# Altium PCB PCB1.PcbDoc (part 1 of 4) (continued)
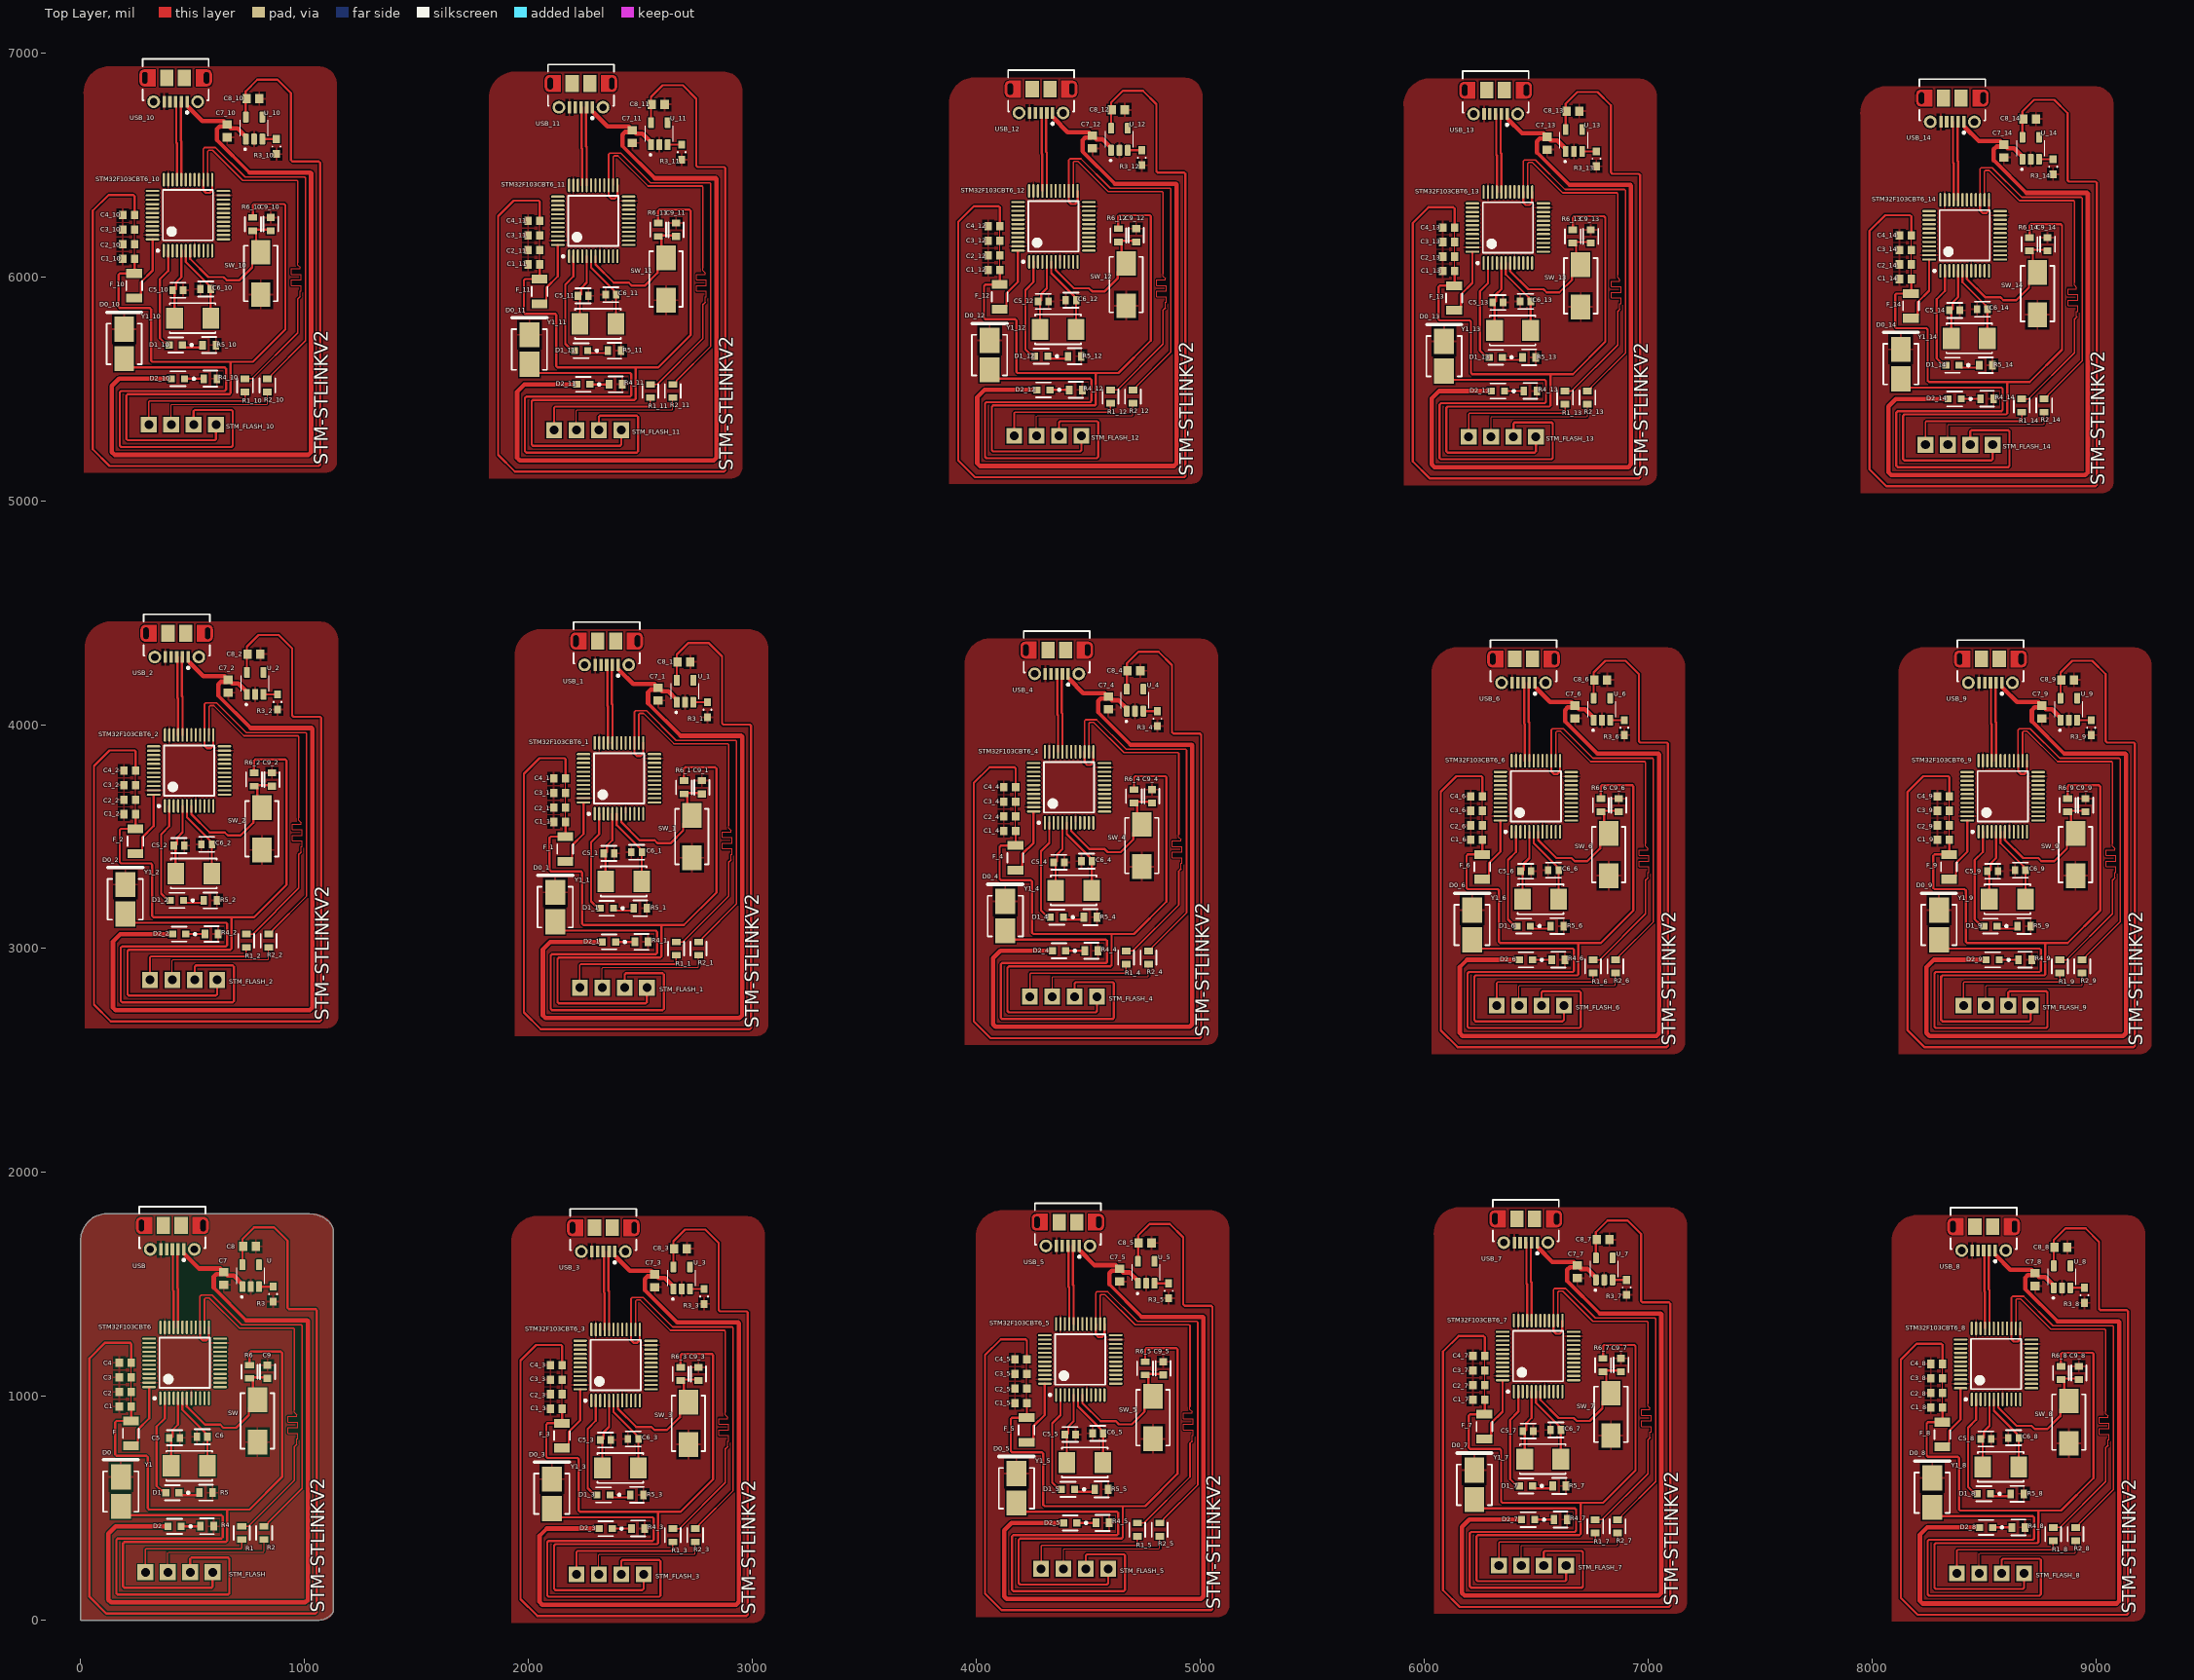
[diagram p0: Top Layer view]
## Components (designator, comment, footprint, x,y, rotation, side; value= is the part's Value field where it differs from the comment) (continued)
C7_9 "1uF" CAPC1608X90X35ML10T15 8760,4056.46 r90 top (schematic designator C7)
C7_10 "1uF" CAPC1608X90X35ML10T15 655,6651.46 r90 top (schematic designator C7)
C7_11 "1uF" CAPC1608X90X35ML10T15 2465,6626.46 r90 top (schematic designator C7)
C7_12 "1uF" CAPC1608X90X35ML10T15 4520,6601.46 r90 top (schematic designator C7)
C7_13 "1uF" CAPC1608X90X35ML10T15 6550,6596.46 r90 top (schematic designator C7)
C7_14 "1uF" CAPC1608X90X35ML10T15 8590,6561.46 r90 top (schematic designator C7)
C8 "1uF" CAPC1608X90X35ML10T15 755,1670 r180 top
C8_1 "1uF" CAPC1608X90X35ML10T15 2695,4280 r180 top (schematic designator C8)
C8_2 "1uF" CAPC1608X90X35ML10T15 775,4315 r180 top (schematic designator C8)
C8_3 "1uF" CAPC1608X90X35ML10T15 2680,1660 r180 top (schematic designator C8)
C8_4 "1uF" CAPC1608X90X35ML10T15 4705,4240 r180 top (schematic designator C8)
C8_5 "1uF" CAPC1608X90X35ML10T15 4755,1685 r180 top (schematic designator C8)
C8_6 "1uF" CAPC1608X90X35ML10T15 6790,4200 r180 top (schematic designator C8)
C8_7 "1uF" CAPC1608X90X35ML10T15 6800,1700 r180 top (schematic designator C8)
C8_8 "1uF" CAPC1608X90X35ML10T15 8845,1665 r180 top (schematic designator C8)
C8_9 "1uF" CAPC1608X90X35ML10T15 8875,4200 r180 top (schematic designator C8)
C8_10 "1uF" CAPC1608X90X35ML10T15 770,6795 r180 top (schematic designator C8)
C8_11 "1uF" CAPC1608X90X35ML10T15 2580,6770 r180 top (schematic designator C8)
C8_12 "1uF" CAPC1608X90X35ML10T15 4635,6745 r180 top (schematic designator C8)
C8_13 "1uF" CAPC1608X90X35ML10T15 6665,6740 r180 top (schematic designator C8)
C8_14 "1uF" CAPC1608X90X35ML10T15 8705,6705 r180 top (schematic designator C8)
C9 "0.01uF" FP-CC0603-DA-MFG 835,1110 r90 top value="100 nF"
C9_1 "0.01uF" FP-CC0603-DA-MFG 2775,3720 r90 top value="100 nF" (schematic designator C9)
C9_2 "0.01uF" FP-CC0603-DA-MFG 855,3755 r90 top value="100 nF" (schematic designator C9)
C9_3 "0.01uF" FP-CC0603-DA-MFG 2760,1100 r90 top value="100 nF" (schematic designator C9)
C9_4 "0.01uF" FP-CC0603-DA-MFG 4785,3680 r90 top value="100 nF" (schematic designator C9)
C9_5 "0.01uF" FP-CC0603-DA-MFG 4835,1125 r90 top value="100 nF" (schematic designator C9)
C9_6 "0.01uF" FP-CC0603-DA-MFG 6870,3640 r90 top value="100 nF" (schematic designator C9)
C9_7 "0.01uF" FP-CC0603-DA-MFG 6880,1140 r90 top value="100 nF" (schematic designator C9)
C9_8 "0.01uF" FP-CC0603-DA-MFG 8925,1105 r90 top value="100 nF" (schematic designator C9)
C9_9 "0.01uF" FP-CC0603-DA-MFG 8955,3640 r90 top value="100 nF" (schematic designator C9)
C9_10 "0.01uF" FP-CC0603-DA-MFG 850,6235 r90 top value="100 nF" (schematic designator C9)
C9_11 "0.01uF" FP-CC0603-DA-MFG 2660,6210 r90 top value="100 nF" (schematic designator C9)
C9_12 "0.01uF" FP-CC0603-DA-MFG 4715,6185 r90 top value="100 nF" (schematic designator C9)
C9_13 "0.01uF" FP-CC0603-DA-MFG 6745,6180 r90 top value="100 nF" (schematic designator C9)
C9_14 "0.01uF" FP-CC0603-DA-MFG 8785,6145 r90 top value="100 nF" (schematic designator C9)
D0 "SS54B" JCET-SMB-2_M 180,575 r90 top
D0_1 "SS54B" JCET-SMB-2_M 2120,3185 r90 top (schematic designator D0)
D0_2 "SS54B" JCET-SMB-2_M 200,3220 r90 top (schematic designator D0)
D0_3 "SS54B" JCET-SMB-2_M 2105,565 r90 top (schematic designator D0)
D0_4 "SS54B" JCET-SMB-2_M 4130,3145 r90 top (schematic designator D0)
D0_5 "SS54B" JCET-SMB-2_M 4180,590 r90 top (schematic designator D0)
D0_6 "SS54B" JCET-SMB-2_M 6215,3105 r90 top (schematic designator D0)
D0_7 "SS54B" JCET-SMB-2_M 6225,605 r90 top (schematic designator D0)
D0_8 "SS54B" JCET-SMB-2_M 8270,570 r90 top (schematic designator D0)
D0_9 "SS54B" JCET-SMB-2_M 8300,3105 r90 top (schematic designator D0)
D0_10 "SS54B" JCET-SMB-2_M 195,5700 r90 top (schematic designator D0)
D0_11 "SS54B" JCET-SMB-2_M 2005,5675 r90 top (schematic designator D0)
D0_12 "SS54B" JCET-SMB-2_M 4060,5650 r90 top (schematic designator D0)
D0_13 "SS54B" JCET-SMB-2_M 6090,5645 r90 top (schematic designator D0)
D0_14 "SS54B" JCET-SMB-2_M 8130,5610 r90 top (schematic designator D0)
D1 "LTST-C190GKT" FP-LTST-C190GKT-MFG 410.47,570 r180 top
D1_1 "LTST-C190GKT" FP-LTST-C190GKT-MFG 2350.47,3180 r180 top (schematic designator D1)
D1_2 "LTST-C190GKT" FP-LTST-C190GKT-MFG 430.47,3215 r180 top (schematic designator D1)
D1_3 "LTST-C190GKT" FP-LTST-C190GKT-MFG 2335.47,560 r180 top (schematic designator D1)
D1_4 "LTST-C190GKT" FP-LTST-C190GKT-MFG 4360.47,3140 r180 top (schematic designator D1)
D1_5 "LTST-C190GKT" FP-LTST-C190GKT-MFG 4410.47,585 r180 top (schematic designator D1)
D1_6 "LTST-C190GKT" FP-LTST-C190GKT-MFG 6445.47,3100 r180 top (schematic designator D1)
D1_7 "LTST-C190GKT" FP-LTST-C190GKT-MFG 6455.47,600 r180 top (schematic designator D1)
D1_8 "LTST-C190GKT" FP-LTST-C190GKT-MFG 8500.47,565 r180 top (schematic designator D1)
D1_9 "LTST-C190GKT" FP-LTST-C190GKT-MFG 8530.47,3100 r180 top (schematic designator D1)
D1_10 "LTST-C190GKT" FP-LTST-C190GKT-MFG 425.47,5695 r180 top (schematic designator D1)
D1_11 "LTST-C190GKT" FP-LTST-C190GKT-MFG 2235.47,5670 r180 top (schematic designator D1)
D1_12 "LTST-C190GKT" FP-LTST-C190GKT-MFG 4290.47,5645 r180 top (schematic designator D1)
D1_13 "LTST-C190GKT" FP-LTST-C190GKT-MFG 6320.47,5640 r180 top (schematic designator D1)
D1_14 "LTST-C190GKT" FP-LTST-C190GKT-MFG 8360.47,5605 r180 top (schematic designator D1)
D2 "LTST-C190GKT" FP-LTST-C190GKT-MFG 420.37,419.63 r180 top
D2_1 "LTST-C190GKT" FP-LTST-C190GKT-MFG 2360.37,3029.63 r180 top (schematic designator D2)
D2_2 "LTST-C190GKT" FP-LTST-C190GKT-MFG 440.37,3064.63 r180 top (schematic designator D2)
D2_3 "LTST-C190GKT" FP-LTST-C190GKT-MFG 2345.37,409.63 r180 top (schematic designator D2)
D2_4 "LTST-C190GKT" FP-LTST-C190GKT-MFG 4370.37,2989.63 r180 top (schematic designator D2)
D2_5 "LTST-C190GKT" FP-LTST-C190GKT-MFG 4420.37,434.63 r180 top (schematic designator D2)
D2_6 "LTST-C190GKT" FP-LTST-C190GKT-MFG 6455.37,2949.63 r180 top (schematic designator D2)
D2_7 "LTST-C190GKT" FP-LTST-C190GKT-MFG 6465.37,449.63 r180 top (schematic designator D2)
D2_8 "LTST-C190GKT" FP-LTST-C190GKT-MFG 8510.37,414.63 r180 top (schematic designator D2)
D2_9 "LTST-C190GKT" FP-LTST-C190GKT-MFG 8540.37,2949.63 r180 top (schematic designator D2)
D2_10 "LTST-C190GKT" FP-LTST-C190GKT-MFG 435.37,5544.63 r180 top (schematic designator D2)
D2_11 "LTST-C190GKT" FP-LTST-C190GKT-MFG 2245.37,5519.63 r180 top (schematic designator D2)
D2_12 "LTST-C190GKT" FP-LTST-C190GKT-MFG 4300.37,5494.63 r180 top (schematic designator D2)
D2_13 "LTST-C190GKT" FP-LTST-C190GKT-MFG 6330.37,5489.63 r180 top (schematic designator D2)
D2_14 "LTST-C190GKT" FP-LTST-C190GKT-MFG 8370.37,5454.63 r180 top (schematic designator D2)
F "1206L020YR" FP-1206L-MFG 225,834.88 r90 top value=0.65-2.6Ω (schematic designator F?)
F_1 "1206L020YR" FP-1206L-MFG 2165,3444.88 r90 top value=0.65-2.6Ω (schematic designator F?)
F_2 "1206L020YR" FP-1206L-MFG 245,3479.88 r90 top value=0.65-2.6Ω (schematic designator F?)
F_3 "1206L020YR" FP-1206L-MFG 2150,824.88 r90 top value=0.65-2.6Ω (schematic designator F?)
F_4 "1206L020YR" FP-1206L-MFG 4175,3404.88 r90 top value=0.65-2.6Ω (schematic designator F?)
F_5 "1206L020YR" FP-1206L-MFG 4225,849.88 r90 top value=0.65-2.6Ω (schematic designator F?)
F_6 "1206L020YR" FP-1206L-MFG 6260,3364.88 r90 top value=0.65-2.6Ω (schematic designator F?)
F_7 "1206L020YR" FP-1206L-MFG 6270,864.88 r90 top value=0.65-2.6Ω (schematic designator F?)
F_8 "1206L020YR" FP-1206L-MFG 8315,829.88 r90 top value=0.65-2.6Ω (schematic designator F?)
F_9 "1206L020YR" FP-1206L-MFG 8345,3364.88 r90 top value=0.65-2.6Ω (schematic designator F?)
F_10 "1206L020YR" FP-1206L-MFG 240,5959.88 r90 top value=0.65-2.6Ω (schematic designator F?)
F_11 "1206L020YR" FP-1206L-MFG 2050,5934.88 r90 top value=0.65-2.6Ω (schematic designator F?)
F_12 "1206L020YR" FP-1206L-MFG 4105,5909.88 r90 top value=0.65-2.6Ω (schematic designator F?)
F_13 "1206L020YR" FP-1206L-MFG 6135,5904.88 r90 top value=0.65-2.6Ω (schematic designator F?)
F_14 "1206L020YR" FP-1206L-MFG 8175,5869.88 r90 top value=0.65-2.6Ω (schematic designator F?)
R1 "220" FP-CRCW0603-e3-MFG 720,390 r270 top
R1_1 "220" FP-CRCW0603-e3-MFG 2660,3000 r270 top (schematic designator R1)
R1_2 "220" FP-CRCW0603-e3-MFG 740,3035 r270 top (schematic designator R1)
R1_3 "220" FP-CRCW0603-e3-MFG 2645,380 r270 top (schematic designator R1)
R1_4 "220" FP-CRCW0603-e3-MFG 4670,2960 r270 top (schematic designator R1)
R1_5 "220" FP-CRCW0603-e3-MFG 4720,405 r270 top (schematic designator R1)
R1_6 "220" FP-CRCW0603-e3-MFG 6755,2920 r270 top (schematic designator R1)
R1_7 "220" FP-CRCW0603-e3-MFG 6765,420 r270 top (schematic designator R1)
R1_8 "220" FP-CRCW0603-e3-MFG 8810,385 r270 top (schematic designator R1)
R1_9 "220" FP-CRCW0603-e3-MFG 8840,2920 r270 top (schematic designator R1)
R1_10 "220" FP-CRCW0603-e3-MFG 735,5515 r270 top (schematic designator R1)
R1_11 "220" FP-CRCW0603-e3-MFG 2545,5490 r270 top (schematic designator R1)
R1_12 "220" FP-CRCW0603-e3-MFG 4600,5465 r270 top (schematic designator R1)
R1_13 "220" FP-CRCW0603-e3-MFG 6630,5460 r270 top (schematic designator R1)
R1_14 "220" FP-CRCW0603-e3-MFG 8670,5425 r270 top (schematic designator R1)
R2 "220" FP-CRCW0603-e3-MFG 820,390 r270 top
R2_1 "220" FP-CRCW0603-e3-MFG 2760,3000 r270 top (schematic designator R2)
R2_2 "220" FP-CRCW0603-e3-MFG 840,3035 r270 top (schematic designator R2)
R2_3 "220" FP-CRCW0603-e3-MFG 2745,380 r270 top (schematic designator R2)
R2_4 "220" FP-CRCW0603-e3-MFG 4770,2960 r270 top (schematic designator R2)
R2_5 "220" FP-CRCW0603-e3-MFG 4820,405 r270 top (schematic designator R2)
R2_6 "220" FP-CRCW0603-e3-MFG 6855,2920 r270 top (schematic designator R2)
R2_7 "220" FP-CRCW0603-e3-MFG 6865,420 r270 top (schematic designator R2)
R2_8 "220" FP-CRCW0603-e3-MFG 8910,385 r270 top (schematic designator R2)
R2_9 "220" FP-CRCW0603-e3-MFG 8940,2920 r270 top (schematic designator R2)
R2_10 "220" FP-CRCW0603-e3-MFG 835,5515 r270 top (schematic designator R2)
R2_11 "220" FP-CRCW0603-e3-MFG 2645,5490 r270 top (schematic designator R2)
R2_12 "220" FP-CRCW0603-e3-MFG 4700,5465 r270 top (schematic designator R2)
R2_13 "220" FP-CRCW0603-e3-MFG 6730,5460 r270 top (schematic designator R2)
R2_14 "220" FP-CRCW0603-e3-MFG 8770,5425 r270 top (schematic designator R2)
R3 "100K" FP-RC0603-0_55-MFG 860,1456.54 r90 top
R3_1 "100K" FP-RC0603-0_55-MFG 2800,4066.54 r90 top (schematic designator R3)
R3_2 "100K" FP-RC0603-0_55-MFG 880,4101.54 r90 top (schematic designator R3)
R3_3 "100K" FP-RC0603-0_55-MFG 2785,1446.54 r90 top (schematic designator R3)
R3_4 "100K" FP-RC0603-0_55-MFG 4810,4026.54 r90 top (schematic designator R3)
R3_5 "100K" FP-RC0603-0_55-MFG 4860,1471.54 r90 top (schematic designator R3)
R3_6 "100K" FP-RC0603-0_55-MFG 6895,3986.54 r90 top (schematic designator R3)
R3_7 "100K" FP-RC0603-0_55-MFG 6905,1486.54 r90 top (schematic designator R3)
R3_8 "100K" FP-RC0603-0_55-MFG 8950,1451.54 r90 top (schematic designator R3)
R3_9 "100K" FP-RC0603-0_55-MFG 8980,3986.54 r90 top (schematic designator R3)
R3_10 "100K" FP-RC0603-0_55-MFG 875,6581.54 r90 top (schematic designator R3)
R3_11 "100K" FP-RC0603-0_55-MFG 2685,6556.54 r90 top (schematic designator R3)
R3_12 "100K" FP-RC0603-0_55-MFG 4740,6531.54 r90 top (schematic designator R3)
R3_13 "100K" FP-RC0603-0_55-MFG 6770,6526.54 r90 top (schematic designator R3)
R3_14 "100K" FP-RC0603-0_55-MFG 8810,6491.54 r90 top (schematic designator R3)
R4 "510R" FP-CRCW0603-e3-MFG 565,420 r0 top
R4_1 "510R" FP-CRCW0603-e3-MFG 2505,3030 r0 top (schematic designator R4)
R4_2 "510R" FP-CRCW0603-e3-MFG 585,3065 r0 top (schematic designator R4)
R4_3 "510R" FP-CRCW0603-e3-MFG 2490,410 r0 top (schematic designator R4)
R4_4 "510R" FP-CRCW0603-e3-MFG 4515,2990 r0 top (schematic designator R4)
R4_5 "510R" FP-CRCW0603-e3-MFG 4565,435 r0 top (schematic designator R4)
R4_6 "510R" FP-CRCW0603-e3-MFG 6600,2950 r0 top (schematic designator R4)
R4_7 "510R" FP-CRCW0603-e3-MFG 6610,450 r0 top (schematic designator R4)
R4_8 "510R" FP-CRCW0603-e3-MFG 8655,415 r0 top (schematic designator R4)
R4_9 "510R" FP-CRCW0603-e3-MFG 8685,2950 r0 top (schematic designator R4)
R4_10 "510R" FP-CRCW0603-e3-MFG 580,5545 r0 top (schematic designator R4)
R4_11 "510R" FP-CRCW0603-e3-MFG 2390,5520 r0 top (schematic designator R4)
R4_12 "510R" FP-CRCW0603-e3-MFG 4445,5495 r0 top (schematic designator R4)
R4_13 "510R" FP-CRCW0603-e3-MFG 6475,5490 r0 top (schematic designator R4)
R4_14 "510R" FP-CRCW0603-e3-MFG 8515,5455 r0 top (schematic designator R4)
R5 "510R" FP-CRCW0603-e3-MFG 560,570 r0 top
R5_1 "510R" FP-CRCW0603-e3-MFG 2500,3180 r0 top (schematic designator R5)
R5_2 "510R" FP-CRCW0603-e3-MFG 580,3215 r0 top (schematic designator R5)
R5_3 "510R" FP-CRCW0603-e3-MFG 2485,560 r0 top (schematic designator R5)
R5_4 "510R" FP-CRCW0603-e3-MFG 4510,3140 r0 top (schematic designator R5)
R5_5 "510R" FP-CRCW0603-e3-MFG 4560,585 r0 top (schematic designator R5)
R5_6 "510R" FP-CRCW0603-e3-MFG 6595,3100 r0 top (schematic designator R5)
R5_7 "510R" FP-CRCW0603-e3-MFG 6605,600 r0 top (schematic designator R5)
R5_8 "510R" FP-CRCW0603-e3-MFG 8650,565 r0 top (schematic designator R5)
R5_9 "510R" FP-CRCW0603-e3-MFG 8680,3100 r0 top (schematic designator R5)
R5_10 "510R" FP-CRCW0603-e3-MFG 575,5695 r0 top (schematic designator R5)
R5_11 "510R" FP-CRCW0603-e3-MFG 2385,5670 r0 top (schematic designator R5)
R5_12 "510R" FP-CRCW0603-e3-MFG 4440,5645 r0 top (schematic designator R5)
R5_13 "510R" FP-CRCW0603-e3-MFG 6470,5640 r0 top (schematic designator R5)
R5_14 "510R" FP-CRCW0603-e3-MFG 8510,5605 r0 top (schematic designator R5)
R6 "10K" FP-CRCW0603-e3-MFG 755,1110 r270 top
R6_1 "10K" FP-CRCW0603-e3-MFG 2695,3720 r270 top (schematic designator R6)
R6_2 "10K" FP-CRCW0603-e3-MFG 775,3755 r270 top (schematic designator R6)
R6_3 "10K" FP-CRCW0603-e3-MFG 2680,1100 r270 top (schematic designator R6)
R6_4 "10K" FP-CRCW0603-e3-MFG 4705,3680 r270 top (schematic designator R6)
R6_5 "10K" FP-CRCW0603-e3-MFG 4755,1125 r270 top (schematic designator R6)
R6_6 "10K" FP-CRCW0603-e3-MFG 6790,3640 r270 top (schematic designator R6)
R6_7 "10K" FP-CRCW0603-e3-MFG 6800,1140 r270 top (schematic designator R6)
R6_8 "10K" FP-CRCW0603-e3-MFG 8845,1105 r270 top (schematic designator R6)
R6_9 "10K" FP-CRCW0603-e3-MFG 8875,3640 r270 top (schematic designator R6)
R6_10 "10K" FP-CRCW0603-e3-MFG 770,6235 r270 top (schematic designator R6)
R6_11 "10K" FP-CRCW0603-e3-MFG 2580,6210 r270 top (schematic designator R6)
R6_12 "10K" FP-CRCW0603-e3-MFG 4635,6185 r270 top (schematic designator R6)
R6_13 "10K" FP-CRCW0603-e3-MFG 6665,6180 r270 top (schematic designator R6)
R6_14 "10K" FP-CRCW0603-e3-MFG 8705,6145 r270 top (schematic designator R6)
STM32F103CBT6 "." STM-LQFP48_L 465,1150 r90 top
STM32F103CBT6_1 "." STM-LQFP48_L 2405,3760 r90 top (schematic designator STM32F103CBT6)
STM32F103CBT6_2 "." STM-LQFP48_L 485,3795 r90 top (schematic designator STM32F103CBT6)
STM32F103CBT6_3 "." STM-LQFP48_L 2390,1140 r90 top (schematic designator STM32F103CBT6)
STM32F103CBT6_4 "." STM-LQFP48_L 4415,3720 r90 top (schematic designator STM32F103CBT6)
STM32F103CBT6_5 "." STM-LQFP48_L 4465,1165 r90 top (schematic designator STM32F103CBT6)
STM32F103CBT6_6 "." STM-LQFP48_L 6500,3680 r90 top (schematic designator STM32F103CBT6)
STM32F103CBT6_7 "." STM-LQFP48_L 6510,1180 r90 top (schematic designator STM32F103CBT6)
STM32F103CBT6_8 "." STM-LQFP48_L 8555,1145 r90 top (schematic designator STM32F103CBT6)
STM32F103CBT6_9 "." STM-LQFP48_L 8585,3680 r90 top (schematic designator STM32F103CBT6)
STM32F103CBT6_10 "." STM-LQFP48_L 480,6275 r90 top (schematic designator STM32F103CBT6)
STM32F103CBT6_11 "." STM-LQFP48_L 2290,6250 r90 top (schematic designator STM32F103CBT6)
STM32F103CBT6_12 "." STM-LQFP48_L 4345,6225 r90 top (schematic designator STM32F103CBT6)
STM32F103CBT6_13 "." STM-LQFP48_L 6375,6220 r90 top (schematic designator STM32F103CBT6)
STM32F103CBT6_14 "." STM-LQFP48_L 8415,6185 r90 top (schematic designator STM32F103CBT6)
STM_FLASH "Header 1x4" "Header 1x4 male" 490,215 r0 top
STM_FLASH_1 "Header 1x4" "Header 1x4 male" 2430,2825 r0 top (schematic designator STM_FLASH)
STM_FLASH_2 "Header 1x4" "Header 1x4 male" 510,2860 r0 top (schematic designator STM_FLASH)
STM_FLASH_3 "Header 1x4" "Header 1x4 male" 2415,205 r0 top (schematic designator STM_FLASH)
STM_FLASH_4 "Header 1x4" "Header 1x4 male" 4440,2785 r0 top (schematic designator STM_FLASH)
STM_FLASH_5 "Header 1x4" "Header 1x4 male" 4490,230 r0 top (schematic designator STM_FLASH)
STM_FLASH_6 "Header 1x4" "Header 1x4 male" 6525,2745 r0 top (schematic designator STM_FLASH)
STM_FLASH_7 "Header 1x4" "Header 1x4 male" 6535,245 r0 top (schematic designator STM_FLASH)
STM_FLASH_8 "Header 1x4" "Header 1x4 male" 8580,210 r0 top (schematic designator STM_FLASH)
STM_FLASH_9 "Header 1x4" "Header 1x4 male" 8610,2745 r0 top (schematic designator STM_FLASH)
STM_FLASH_10 "Header 1x4" "Header 1x4 male" 505,5340 r0 top (schematic designator STM_FLASH)
STM_FLASH_11 "Header 1x4" "Header 1x4 male" 2315,5315 r0 top (schematic designator STM_FLASH)
STM_FLASH_12 "Header 1x4" "Header 1x4 male" 4370,5290 r0 top (schematic designator STM_FLASH)
STM_FLASH_13 "Header 1x4" "Header 1x4 male" 6400,5285 r0 top (schematic designator STM_FLASH)
STM_FLASH_14 "Header 1x4" "Header 1x4 male" 8440,5250 r0 top (schematic designator STM_FLASH)
SW "147873-1" FP-147873-1-MFG 790,890 r270 top
SW_1 "147873-1" FP-147873-1-MFG 2730,3500 r270 top (schematic designator SW)
SW_2 "147873-1" FP-147873-1-MFG 810,3535 r270 top (schematic designator SW)
SW_3 "147873-1" FP-147873-1-MFG 2715,880 r270 top (schematic designator SW)
SW_4 "147873-1" FP-147873-1-MFG 4740,3460 r270 top (schematic designator SW)
SW_5 "147873-1" FP-147873-1-MFG 4790,905 r270 top (schematic designator SW)
SW_6 "147873-1" FP-147873-1-MFG 6825,3420 r270 top (schematic designator SW)
SW_7 "147873-1" FP-147873-1-MFG 6835,920 r270 top (schematic designator SW)
SW_8 "147873-1" FP-147873-1-MFG 8880,885 r270 top (schematic designator SW)
SW_9 "147873-1" FP-147873-1-MFG 8910,3420 r270 top (schematic designator SW)
SW_10 "147873-1" FP-147873-1-MFG 805,6015 r270 top (schematic designator SW)
SW_11 "147873-1" FP-147873-1-MFG 2615,5990 r270 top (schematic designator SW)
SW_12 "147873-1" FP-147873-1-MFG 4670,5965 r270 top (schematic designator SW)
SW_13 "147873-1" FP-147873-1-MFG 6700,5960 r270 top (schematic designator SW)
SW_14 "147873-1" FP-147873-1-MFG 8740,5925 r270 top (schematic designator SW)
U "RT9013-33GB" SOT94P279X129-5N 760,1539.02 r90 top
U_1 "RT9013-33GB" SOT94P279X129-5N 2700,4149.02 r90 top (schematic designator U)
U_2 "RT9013-33GB" SOT94P279X129-5N 780,4184.02 r90 top (schematic designator U)
U_3 "RT9013-33GB" SOT94P279X129-5N 2685,1529.02 r90 top (schematic designator U)
U_4 "RT9013-33GB" SOT94P279X129-5N 4710,4109.02 r90 top (schematic designator U)
U_5 "RT9013-33GB" SOT94P279X129-5N 4760,1554.02 r90 top (schematic designator U)
U_6 "RT9013-33GB" SOT94P279X129-5N 6795,4069.02 r90 top (schematic designator U)
U_7 "RT9013-33GB" SOT94P279X129-5N 6805,1569.02 r90 top (schematic designator U)
U_8 "RT9013-33GB" SOT94P279X129-5N 8850,1534.02 r90 top (schematic designator U)
U_9 "RT9013-33GB" SOT94P279X129-5N 8880,4069.02 r90 top (schematic designator U)
U_10 "RT9013-33GB" SOT94P279X129-5N 775,6664.02 r90 top (schematic designator U)
U_11 "RT9013-33GB" SOT94P279X129-5N 2585,6639.02 r90 top (schematic designator U)
U_12 "RT9013-33GB" SOT94P279X129-5N 4640,6614.02 r90 top (schematic designator U)
U_13 "RT9013-33GB" SOT94P279X129-5N 6670,6609.02 r90 top (schematic designator U)
U_14 "RT9013-33GB" SOT94P279X129-5N 8710,6574.02 r90 top (schematic designator U)
USB "105017-0001" USB-MICRO-B_V 410,1710 r180 top
USB_1 "105017-0001" USB-MICRO-B_V 2350,4320 r180 top (schematic designator USB)
USB_2 "105017-0001" USB-MICRO-B_V 430,4355 r180 top (schematic designator USB)
USB_3 "105017-0001" USB-MICRO-B_V 2335,1700 r180 top (schematic designator USB)
USB_4 "105017-0001" USB-MICRO-B_V 4360,4280 r180 top (schematic designator USB)
USB_5 "105017-0001" USB-MICRO-B_V 4410,1725 r180 top (schematic designator USB)
USB_6 "105017-0001" USB-MICRO-B_V 6445,4240 r180 top (schematic designator USB)
USB_7 "105017-0001" USB-MICRO-B_V 6455,1740 r180 top (schematic designator USB)
USB_8 "105017-0001" USB-MICRO-B_V 8500,1705 r180 top (schematic designator USB)
USB_9 "105017-0001" USB-MICRO-B_V 8530,4240 r180 top (schematic designator USB)
USB_10 "105017-0001" USB-MICRO-B_V 425,6835 r180 top (schematic designator USB)
USB_11 "105017-0001" USB-MICRO-B_V 2235,6810 r180 top (schematic designator USB)
USB_12 "105017-0001" USB-MICRO-B_V 4290,6785 r180 top (schematic designator USB)
USB_13 "105017-0001" USB-MICRO-B_V 6320,6780 r180 top (schematic designator USB)
USB_14 "105017-0001" USB-MICRO-B_V 8360,6745 r180 top (schematic designator USB)
Y1 "8HMZ" FP-ABM3-MFG 485.71,690 r180 top
Y1_1 "8HMZ" FP-ABM3-MFG 2425.71,3300 r180 top (schematic designator Y1)
Y1_2 "8HMZ" FP-ABM3-MFG 505.71,3335 r180 top (schematic designator Y1)
Y1_3 "8HMZ" FP-ABM3-MFG 2410.71,680 r180 top (schematic designator Y1)
Y1_4 "8HMZ" FP-ABM3-MFG 4435.71,3260 r180 top (schematic designator Y1)
Y1_5 "8HMZ" FP-ABM3-MFG 4485.71,705 r180 top (schematic designator Y1)
Y1_6 "8HMZ" FP-ABM3-MFG 6520.71,3220 r180 top (schematic designator Y1)
Y1_7 "8HMZ" FP-ABM3-MFG 6530.71,720 r180 top (schematic designator Y1)
Y1_8 "8HMZ" FP-ABM3-MFG 8575.71,685 r180 top (schematic designator Y1)
Y1_9 "8HMZ" FP-ABM3-MFG 8605.71,3220 r180 top (schematic designator Y1)
Y1_10 "8HMZ" FP-ABM3-MFG 500.71,5815 r180 top (schematic designator Y1)
Y1_11 "8HMZ" FP-ABM3-MFG 2310.71,5790 r180 top (schematic designator Y1)
Y1_12 "8HMZ" FP-ABM3-MFG 4365.71,5765 r180 top (schematic designator Y1)
Y1_13 "8HMZ" FP-ABM3-MFG 6395.71,5760 r180 top (schematic designator Y1)
Y1_14 "8HMZ" FP-ABM3-MFG 8435.71,5725 r180 top (schematic designator Y1)

## Footprints (in the part's own frame and the unit in brackets; to place one, negate y for a bottom-side part, rotate by r counter-clockwise, add the part's x,y. Pads: shape width x height; smd on the part's side, far side on the other; paste and mask are expansions set on the pad)
CAPC1608X90X35ML10T15 [mm] "Chip Capacitor, 2-Leads, Body 1.7x0.9mm, IPC Low Density"
  rect 0.95x1.05 smd: 1(-0.725,0) 2(0.725,0)
  body extent -0.85,-0.45 0.85,0.45, height 0.9
CAPC1608X90X35NL10T15 [mm] "Chip Capacitor, 2-Leads, Body 1.60x0.80mm, IPC Medium Density"
  rect 0.85x0.95 smd: 1(-0.675,0) 2(0.675,0)
  body extent -0.85,-0.45 0.85,0.45, height 0.9
FP-1206L-MFG [mm]
  rect 1x1.8 smd paste+0 mask+0: 1(-1.4,0) 2(1.4,0)
  silkscreen extent -0.53,-0.9 0.53,0.9, body extent -2,-1 2,1, height 0.25
FP-147873-1-MFG [mm]
  rect 2.8x2.2 smd paste+0 mask+0: 1(-2.4,0) 2(2.4,0)
  silkscreen extent -3.15,-1.9 3.15,1.9, body extent -3.9,-2 3.9,2, height 0.25
FP-ABM3-MFG [mm]
  rect 1.9x2.4 smd paste+0 mask+0: 1(-2.05,0) 2(2.05,0)
  silkscreen extent -2.6,-1.7 2.6,1.7, body extent -3.1,-1.8 3.1,1.8, height 0.25
FP-C0603C-CF-MFG [mm]
  rect 0.75x0.9 smd paste+0 mask+0: 1(-0.6,0) 2(0.6,0)
  silkscreen extent -0.87,-0.85 0.88,0.85, body extent -1.2,-0.6 1.2,0.6, height 0.25
FP-CC0603-DA-MFG [mm]
  rect 0.8x0.9 smd paste+0 mask+0: 1(-0.75,0) 2(0.75,0)
  silkscreen extent -0.85,-0.85 0.85,0.85, body extent -1.35,-0.75 1.35,0.75, height 0.25
FP-CRCW0603-e3-MFG [mm]
  rect 0.75x1 smd paste+0 mask+0: 1(-0.75,0) 2(0.75,0)
  silkscreen extent -0.8,-0.9 0.8,0.9, body extent -1.22,-0.6 1.22,0.6, height 0.25
FP-LTST-C190GKT-MFG [mm]
  rect 0.8x0.8 smd paste+0 mask+0: 1(-0.75,0) 2(0.75,0)
  silkscreen extent -1.92,-0.85 0.85,0.85, body extent -1.25,-0.55 1.25,0.55, height 0.25
FP-RC0603-0_55-MFG [mm]
  rect 0.9x0.8 smd paste+0 mask+0: 1(-0.85,0) 2(0.85,0)
  silkscreen extent -0.03,-0.45 0.03,0.45, body extent -1.4,-0.55 1.4,0.55, height 0.25
"Header 1x4 male" [mm] "2.54mm"
  rect 1.8x1.8 hole 1: 1(-5.08,0) 2(-2.54,0) 3(0,0) 4(2.54,0)
  body extent -6.35,-1.27 3.81,1.27, height 8.6
JCET-SMB-2_M [mm] "Molded Diode, 2-Leads, Body 4.57x3.94mm"
  rect 2.85x2.25 smd: 1(-1.675,0) 2(1.675,0)
  silkscreen extent -2.3,-2 3.6,2, body extent -2.5,-1.97 2.5,1.97, height 2.44
SOT94P279X129-5N [mm]
  rrect25% 1.22x0.65 smd: 1(-1.245,0.94) 2(-1.245,0) 3(-1.245,-0.94) 4(1.245,-0.94) 5(1.245,0.94)
  silkscreen extent -2.5,-1.58 0.9,1.58
STM-LQFP48_L [mm] "QFP, 48-Leads, Body 7x7mm, Pitch 0.5mm, IPC High Density"
  oval 1.55x0.25 smd: 1(-4.025,2.75) 2(-4.025,2.25) 3(-4.025,1.75) 4(-4.025,1.25) 5(-4.025,0.75) 6(-4.025,0.25) 7(-4.025,-0.25) 8(-4.025,-0.75) 9(-4.025,-1.25) 10(-4.025,-1.75) 11(-4.025,-2.25) 12(-4.025,-2.75) 25(4.025,-2.75) 26(4.025,-2.25) 27(4.025,-1.75) 28(4.025,-1.25) 29(4.025,-0.75) 30(4.025,-0.25) 31(4.025,0.25) 32(4.025,0.75) 33(4.025,1.25) 34(4.025,1.75) 35(4.025,2.25) 36(4.025,2.75)
  oval 0.25x1.55 smd: 13(-2.75,-4.025) 14(-2.25,-4.025) 15(-1.75,-4.025) 16(-1.25,-4.025) 17(-0.75,-4.025) 18(-0.25,-4.025) 19(0.25,-4.025) 20(0.75,-4.025) 21(1.25,-4.025) 22(1.75,-4.025) 23(2.25,-4.025) 24(2.75,-4.025) 37(2.75,4.025) 38(2.25,4.025) 39(1.75,4.025) 40(1.25,4.025) 41(0.75,4.025) 42(0.25,4.025) 43(-0.25,4.025) 44(-0.75,4.025) 45(-1.25,4.025) 46(-1.75,4.025) 47(-2.25,4.025) 48(-2.75,4.025)
  silkscreen extent -4.15,-2.85 2.85,3.55, body extent -3.5,-3.5 3.5,3.5, height 1.6
USB-MICRO-B_V [mm] "USB, MICRO B, Body 7.491x4.695 mm, Pitch 0.65 mm"
  rect 0.4x1.35 smd: 1(-1.3,1.35) 2(-0.65,1.35) 3(0,1.35) 4(0.65,1.35) 5(1.3,1.35)
  round 1.45 hole 0.85: 6(-2.5,1.35) 7(2.5,1.35)
  rrect50% 0x0 hole 0.6 slot 1.3 at 90 deg: 8(-3.5,-1.35) 11(3.5,-1.35)
  rect 1.5x1.9 smd: 9(-1,-1.35) 10(1,-1.35)
  Top Layer circle w0.5: c-3.6,-1.8 r0.25
  Top Layer circle w0.5: c-3.6,-0.9 r0.25
  Top Layer circle w0.5: c3.6,-1.8 r0.25
  Top Layer circle w0.5: c3.6,-0.9 r0.25
  Top Layer region: -3.6,-1.8 -3.6,-0.9 -4.1,-0.9 -4.1,-1.8
  Top Layer region: 3.6,-0.9 3.6,-1.8 4.1,-1.8 4.1,-0.9
  Top Layer region: 2.3,-0.4 2.3,-2.3 3.6,-2.3 3.6,-0.4
  Top Layer region: -2.3,-2.3 -2.3,-0.4 -3.6,-0.4 -3.6,-2.3
  silkscreen extent -3.75,-3.5 3.75,2.7, body extent -4.1,-3.9 4.1,1.5, height 2.67